# Altium PCB MCU_Board.PcbDoc (continued)
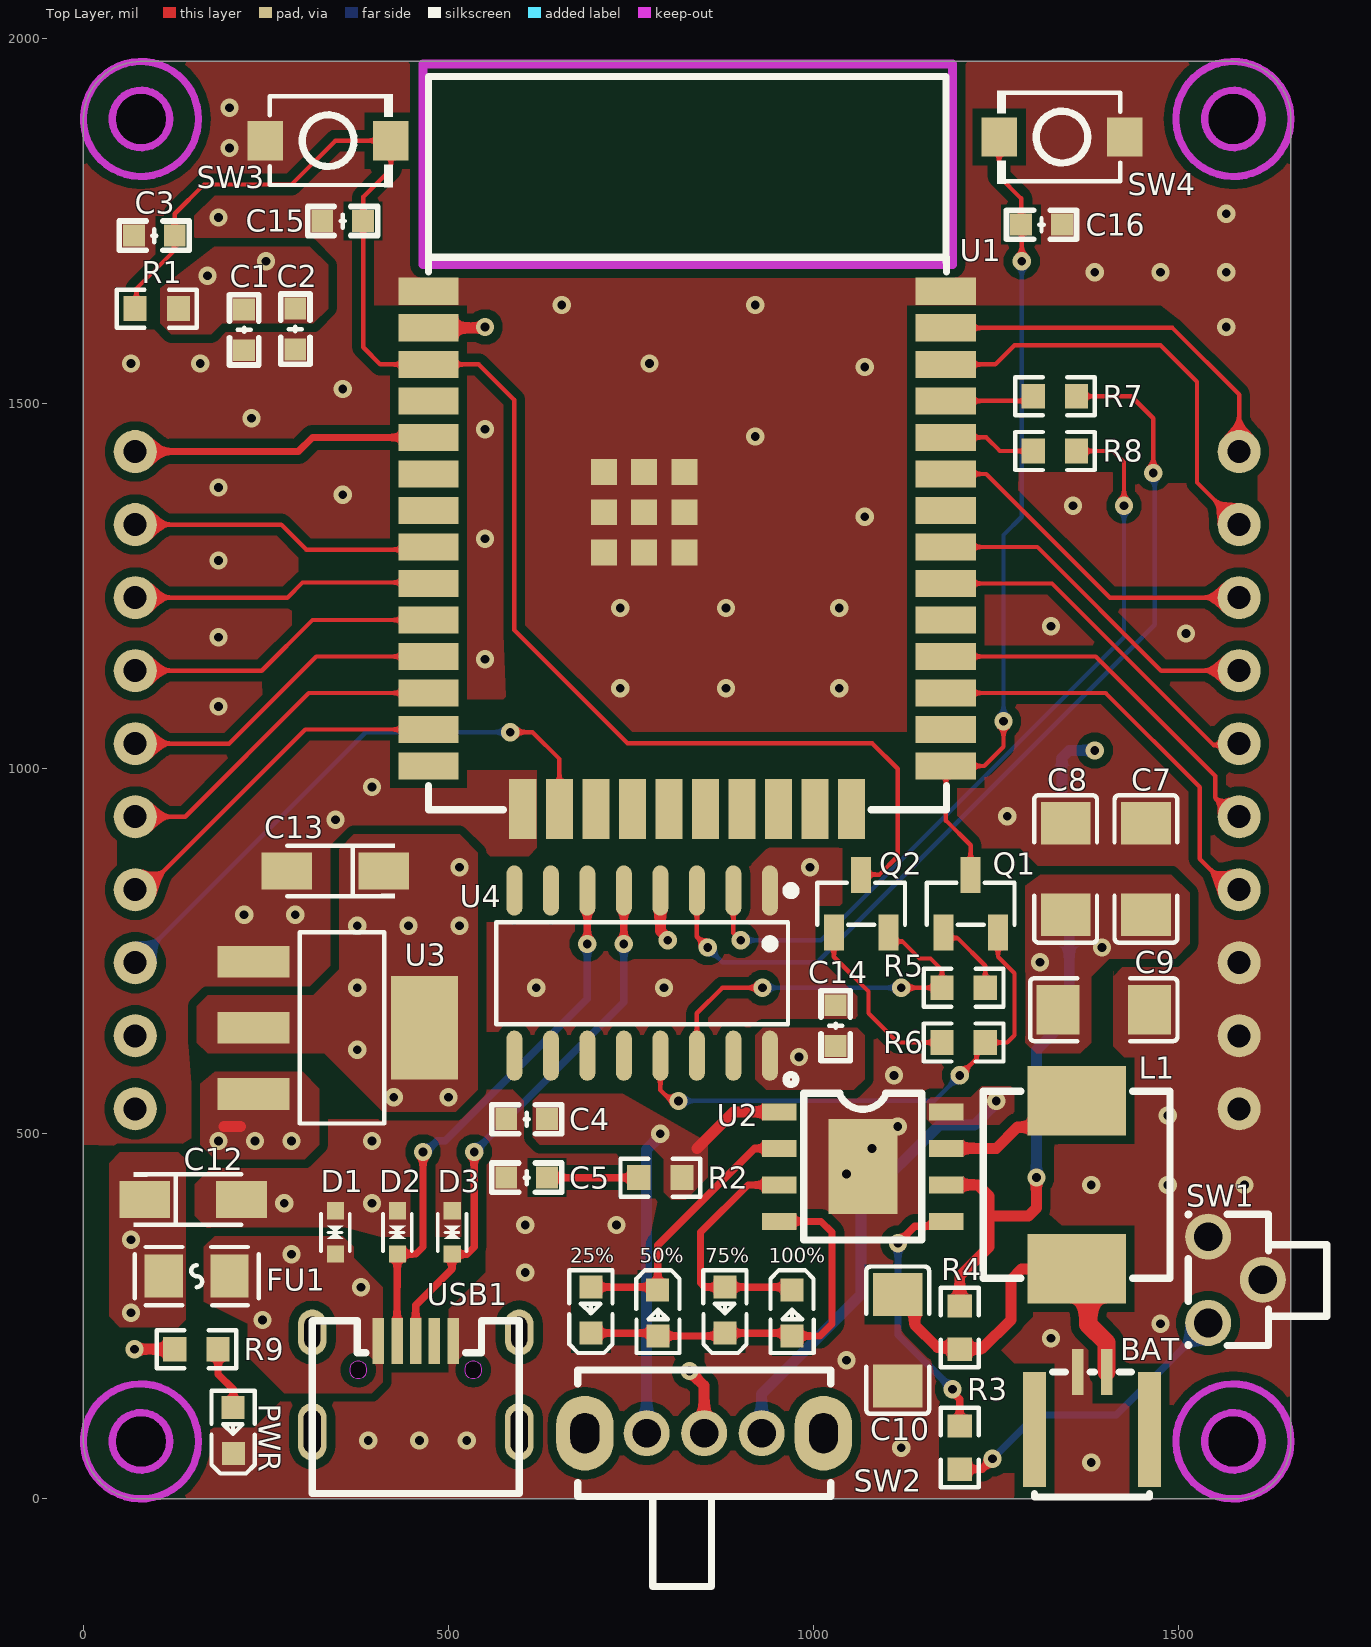
[diagram p0: Top Layer view]
## Components (designator, comment, footprint, x,y, rotation, side; value= is the part's Value field where it differs from the comment)
25% "NCD0603G2" LED0603-RD 695.14,258.53 r90 top (schematic designator LED1)
50% "NCD0603G2" LED0603-RD 786.52,254.62 r270 top (schematic designator LED2)
75% "NCD0603G2" LED0603-RD 878.75,258.53 r90 top (schematic designator LED3)
100% "NCD0603G2" LED0603-RD 970.13,254.62 r270 top (schematic designator LED4)
BAT "1.0T-2P卧贴" CONN-SMD_1.0T-2P 1381.26,134.34 r0 top (schematic designator CN1)
C1 "Cap" C0603 220,1601 r90 top value=22uF
C2 "Cap" C0603 290,1602 r90 top value=100nF
C3 "Cap" C0603 97,1730 r0 top value=100nF
C4 "Cap" C0603 607,520 r0 top value=10uF
C5 "Cap" C0603 607,440 r0 top value=10uF
C6 "Cap" C1206 1402.3,970 r180 bottom value=22uF
C7 "Cap" C1206 1455,862.7 r270 top value=22uF
C8 "Cap" C1206 1345,862.7 r270 top value=22uF
C9 "Cap" C1206 1397.3,670 r180 top value=22uF
C10 "Cap" C1206 1115,217.3 r90 top value=22uF
C11 "Cap" C1206 1397.3,790 r180 bottom value=22uF
C12 "TAJA106K016RNJ" CAP-SMD_L3.2-W1.6-RD-C7171 150,410 r0 top value=10uF
C13 "TAJA106K016RNJ" CAP-SMD_L3.2-W1.6-RD-C7171 345,860 r180 top value=10uF
C14 "Cap" C0603 1030,648 r90 top value=100nF
C15 "Cap" C0603 355,1750 r180 top value=100nF
C16 "Cap" C0603 1312,1745 r0 top value=100nF
D1 "LESD5D5.0CT1G" SOD-523_L1.2-W0.8-LS1.6-BI 345,365 r270 top
D2 "LESD5D5.0CT1G" SOD-523_L1.2-W0.8-LS1.6-BI 430,365 r270 top
D3 "LESD5D5.0CT1G" SOD-523_L1.2-W0.8-LS1.6-BI 505,365 r270 top
FU1 "FUSE 1A" F0805 155.02,305 r180 top
J1 "Header 10X1" HDR-TH_10P-P2.54-V-M 70.87,984.25 r270 bottom
J2 "Header 10X1" HDR-TH_10P-P2.54-V-M 1582.68,984.25 r270 bottom
L1 "Inductor" IND-SMD_L6.5-W6.5_IHLP-2525 1360,430.14 r270 top value=1uH
PWR "NCD0603G2" LED0603-RD 205.13,93.53 r90 top (schematic designator LED5)
Q1 "SS8050-G" SOT-23-3_L2.9-W1.3-P1.90-LS2.4-BR 1215,815 r270 top
Q2 "SS8050-G" SOT-23-3_L2.9-W1.3-P1.90-LS2.4-BR 1065,815 r270 top
R1 "10k" R0603 100.34,1630 r0 top
R2 "2Ω" R0603 790,440 r0 top
R3 "10k" R0603 1200,70.34 r90 top
R4 "500mΩ" R0603 1200,234.66 r270 top
R5 "10k" R0603 1205.34,700 r180 top
R6 "10k" R0603 1205.34,625 r0 top
R7 "0Ω" R0603 1330.34,1510 r180 top
R8 "0Ω" R0603 1330.34,1435 r180 top
R9 "1k" R0603 154.66,205 r180 top
SW1 "GT-TCB73B-H048-L1" SW-TH_G-SWITCH_GT-TCB73B-H048-L1 1577.6,300.01 r90 top
SW2 "SK12D07VG3" SW-TH_SK12D07VG3 850,90 r0 top
SW3 "TS-1088-AR02016" SW-SMD_L3.9-W3.0-P4.45 335,1860 r0 top
SW4 "TS-1088-AR02016" SW-SMD_L3.9-W3.0-P4.45 1340,1865 r180 top
U1 "ESP32-WROOM-32E" WIFI-SMD_ESP32-WROOM-32E 826.77,1299.21 r270 top
U2 "IP5306" ESOP-8_L4.9-W3.9-P1.27-LS6.0-BL-EP 1067.25,455 r270 top
U3 "LD1117-3.3" SOT-223-3_L6.5-W3.4-P2.30-LS7.0-BR 350,645 r180 top
U4 "CH340C" SOP-16_L10.0-W3.9-P1.27-LS6.0-BL 765,720 r180 top
USB1 "U-F-M5DD-W-2" MICRO-USB-SMD_MICRO-USB-A17 455,160 r270 top

## Footprints (in the part's own frame and the unit in brackets; to place one, negate y for a bottom-side part, rotate by r counter-clockwise, add the part's x,y. Pads: shape width x height; smd on the part's side, far side on the other; paste and mask are expansions set on the pad)
C0603 [mil] "无极性贴片电容"
  rect 30x30 smd mask+2: 1(-28,0) 2(28,0)
  silkscreen extent -48,-20 48,20, body extent -31,-16 31,16, height 32
C1206 [mm] "无极性贴片电容"
  rect 1.485x1.728 smd paste-100 mask+0.051: 1(-1.593,0) 2(1.593,0)
  silkscreen extent -2.56,-1.09 2.56,1.09, body extent -1.73,-0.81 1.47,0.81, height 1.11
CAP-SMD_L3.2-W1.6-RD-C7171 [mil]
  rect 69.19x51.02 smd paste+0 mask+2: 1(-66.39,0) 2(66.39,0)
  silkscreen extent -81,-37 66,37, body extent -68,-31 58,31, height 67
CONN-SMD_1.0T-2P [mm]
  rect 0.8x4 smd paste+0 mask+0.051: 0(-2,-0.999) 0(2,-0.999)
  rect 0.4x1.6 smd paste+0 mask+0.051: 1(-0.498,0.999) 2(0.502,0.999)
  silkscreen extent -2,-3.35 2,1, body extent -1.75,-3.4 1.75,1.6, height 2.45
ESOP-8_L4.9-W3.9-P1.27-LS6.0-BL-EP [mm]
  rect 0.6x1.2 smd paste+0 mask+0.051: 1(-1.905,-2.908) 2(-0.635,-2.908) 3(0.635,-2.908) 4(1.905,-2.908) 5(1.905,2.908) 6(0.635,2.908) 7(-0.635,2.908) 8(-1.905,2.908)
  rect 3.3x2.4 smd paste+0 mask+0.051: 9(0,0)
  silkscreen extent -3.2,-2.67 2.55,2.05, body extent -2.45,-3.05 2.45,3.05, height 1.67
F0805 [mm]
  rect 1.335x1.5 smd paste-100 mask+0.051: 1(-1.142,0) 2(1.142,0)
  silkscreen extent -2.16,-1.02 2.16,1.02, body extent -1.05,-0.7 1.05,0.7, height 0.8
HDR-TH_10P-P2.54-V-M [mm]
  round 1.5 hole 0.8 paste+0 mask+0.05: 1(-11.43,0) 2(-8.89,0) 3(-6.35,0) 4(-3.81,0) 5(-1.27,0) 6(1.27,0) 7(3.81,0) 8(6.35,0) 9(8.89,0) 10(11.43,0)
  silkscreen extent -12.7,-1.27 12.7,1.27, body extent -12.7,-1.41 12.71,1.4, height 10.1
IND-SMD_L6.5-W6.5_IHLP-2525 [mm] "贴片电感"
  rect 2.42x3.43 smd paste+0 mask+0.051: 1(-2.925,0) 2(2.925,0)
  silkscreen extent -3.25,-3.25 3.25,3.25, body extent -3.43,-3.23 3.43,3.23, height 2.97
LED0603-RD [mm] "LED0603"
  rect 0.8x0.8 smd paste+0 mask+0.051: 1(-0.799,-0.003) 2(0.799,0.003)
  silkscreen extent -1.49,-0.75 1.39,0.76, body extent -0.81,-0.41 0.81,0.41, height 0.56
MICRO-USB-SMD_MICRO-USB-A17 [mm]
  rect 1.6x0.4 smd paste-100 mask+0.051: 1(-1.435,-1.3) 2(-1.435,-0.65) 3(-1.435,0) 4(-1.435,0.65) 5(-1.435,1.3)
  oval 1.6x1 hole 0.55 slot 1.1 at 0 deg copper offset 0.001,0 paste+0 mask+0.051: 6(-1.725,-3.599)
  oval 1.6x1 hole 0.55 slot 1.1 at 0 deg copper offset -0.001,0 paste+0 mask+0.051: 7(-1.725,3.599)
  oval 2x1 hole 0.6 slot 1.5 at 0 deg copper offset -0.001,0.001 paste+0 mask+0.051: 8(1.724,3.599)
  oval 2x1 hole 0.6 slot 1.5 at 0 deg copper offset 0.001,0.001 paste+0 mask+0.051: 9(1.724,-3.599)
  Keep-Out Layer board cut-out: -0.125,-2 -0.125,-1.94 -0.171,-1.83 -0.255,-1.746 -0.365,-1.7 -0.485,-1.7 -0.595,-1.746 -0.679,-1.83 -0.725,-1.94 -0.725,-2 -0.725,-2.06 -0.679,-2.17 -0.595,-2.254 -0.485,-2.3 -0.365,-2.3 -0.255,-2.254 -0.171,-2.17 -0.125,-2.06 -0.125,-2 -0.125,-2
  Keep-Out Layer board cut-out: -0.125,2 -0.125,2.06 -0.171,2.17 -0.255,2.254 -0.365,2.3 -0.485,2.3 -0.595,2.254 -0.679,2.17 -0.725,2.06 -0.725,2 -0.725,1.94 -0.679,1.83 -0.595,1.746 -0.485,1.7 -0.365,1.7 -0.255,1.746 -0.171,1.83 -0.125,1.94 -0.125,2 -0.125,2
  silkscreen extent -2.14,-3.6 3.88,3.61, body extent -2.1,-3.75 4,3.75, height 2.53
R0603 [mil] "R0603"
  rect 31.75x34.02 smd paste-3937.01 mask+2: 1(-29.66,0) 2(29.66,0)
  silkscreen extent -55,-26 55,26, body extent -31,-16 31,16, height 17
SOD-523_L1.2-W0.8-LS1.6-BI [mm]
  rect 0.6x0.6 smd paste+0 mask+0.051: 1(-0.75,0) 2(0.75,0)
  silkscreen extent -0.65,-0.5 0.65,0.5, body extent -0.8,-0.4 0.8,0.4, height 0.71
SOP-16_L10.0-W3.9-P1.27-LS6.0-BL [mm]
  oval 0.56x1.745 smd paste+0 mask+0.051: 1(-4.445,-2.872) 2(-3.175,-2.872) 3(-1.905,-2.872) 4(-0.635,-2.872) 5(0.635,-2.872) 6(1.905,-2.872) 7(3.175,-2.872) 8(4.445,-2.872) 9(4.445,2.872) 10(3.175,2.872) 11(1.905,2.872) 12(0.635,2.872) 13(-0.635,2.872) 14(-1.905,2.872) 15(-3.175,2.872) 16(-4.445,2.872)
  silkscreen extent -5.33,-3.02 5.08,1.77, body extent -4.95,-3 4.95,3, height 1.9
SOT-23-3_L2.9-W1.3-P1.90-LS2.4-BR [mm] "SS8050"
  rect 1.25x0.7 smd paste+0 mask+0.051: 1(1,-0.95) 2(1,0.95) 3(-1,0)
  silkscreen extent -0.73,-1.53 0.73,1.53, body extent -1.12,-1.45 1.38,1.45, height 1.05
SOT-223-3_L6.5-W3.4-P2.30-LS7.0-BR [mm]
  rect 2.5x1.1 smd paste+0 mask+0.051: 1(2.97,-2.3) 2(2.97,0) 3(2.97,2.3)
  rect 2.34x3.6 smd paste+0 mask+0.051: 4(-2.97,0)
  silkscreen extent -1.57,-3.33 1.37,3.33, body extent -3.88,-3.25 3.12,3.25, height 1.84
SW-SMD_L3.9-W3.0-P4.45 [mm]
  rect 1.23x1.36 smd paste+0 mask+0.051: 1(-2.185,0) 2(2.185,0)
  silkscreen extent -2.03,-1.62 2.25,1.62, body extent -2.4,-1.45 2.4,1.45, height 1.95
SW-TH_G-SWITCH_GT-TCB73B-H048-L1 [mm]
  round 1.6 hole 1 paste+0 mask+0.051: 1(-1.5,0.95) 2(1.5,0.95) 3(0,-0.95)
  silkscreen extent -2.29,-3.18 2.29,1.65, body extent -2.25,-3.08 2.25,1.72, height 4.47
SW-TH_SK12D07VG3 [mm]
  round 1.6 hole 1 paste+0 mask+0.051: 1(-2,0) 2(0,0) 3(2,0)
  oval 2x2.6 hole 1 slot 1.4 at 90 deg paste+0 mask+0.051: 4(4.15,0) 5(-4.15,0)
  silkscreen extent -4.4,-5.33 4.4,2.2, body extent -4.35,-6.22 4.35,2.18, height 4.7
WIFI-SMD_ESP32-WROOM-32E [mm] "ESP32-WROOM"
  rect 0.95x2.1 smd paste+0 mask+0.051: 1(-9.003,-9) 2(-7.733,-9) 3(-6.463,-9) 4(-5.193,-9) 5(-3.923,-9) 6(-2.653,-9) 7(-1.383,-9) 8(-0.113,-9) 9(1.157,-9) 10(2.427,-9) 11(3.697,-9) 12(4.967,-9) 13(6.237,-9) 14(7.507,-9) 25(7.507,9) 26(6.237,9) 27(4.967,9) 28(3.697,9) 29(2.427,9) 30(1.157,9) 31(-0.113,9) 32(-1.383,9) 33(-2.653,9) 34(-3.923,9) 35(-5.193,9) 36(-6.463,9) 37(-7.733,9) 38(-9.003,9)
  rect 2.1x0.95 smd paste+0 mask+0.051: 15(9.003,-5.715) 16(9.003,-4.445) 17(9.003,-3.175) 18(9.003,-1.905) 19(9.003,-0.635) 20(9.003,0.635) 21(9.003,1.905) 22(9.003,3.175) 23(9.003,4.445) 24(9.003,5.715)
  rect 0.9x0.9 smd paste+0 mask+0.051: 39(-2.722,-0.1) 39(-2.722,-2.9) 39(-2.722,-1.5) 39(-1.322,-0.1) 39(-1.322,-1.5) 39(-1.322,-2.9) 39(0.078,-0.1) 39(0.078,-1.5) 39(0.078,-2.9)
  silkscreen extent -16.48,-9 9.02,9.02, body extent -16.53,-9 8.97,9, height 3.13

## Part data
25% 50% 75% 100%: Emitted Color=翠绿, JLCPCB Part Class="Extended Part", Manufacturer=国星光电, Add into BOM=yes, Convert to PCB=yes, Datasheet=https://atta.szlcsc.com/upload/public/pdf/source/20200820/C87326_434E337B13CFAB9A1423E0838CFDDDAC.pdf, Device=NCD0603G2, LCSC Part Name=翠绿, Manufacturer Part=NCD0603G2, Name=NCD0603G2, Supplier=LCSC, Supplier Footprint=0603, Supplier Part=C87326, Symbol=FC-1608UGK-520D
BAT: "锂电池接口", JLCPCB Part Class="Extended Part", LCSC Part Name="SH 1mm 1x2P 卧贴", Manufacturer=BOOMELE(博穆精密), Add into BOM=yes, Contact Material=磷铜, Convert to PCB=yes, Datasheet=https://atta.szlcsc.com/upload/public/pdf/source/20171115/C145954_15107293403501120439.pdf, Device=1.0T-2P卧贴, Manufacturer Part=1.0T-2P卧贴, Mounting Style=-, Name=1.0T-2P卧贴, Number of PINs Per Row=2, Number of Rows=1, Pins Structure=1x2P, Pitch=1mm, Reference Series=SH, Row Spacing=-, Supplier=LCSC, Supplier Footprint=SMD,P=1mm, Supplier Part=C145954, Symbol=1.0T-2P_C145954
C1 C2 C3 C4 C5 C6 C7 C8 C9 C10 C11 C14 C15 C16: "Capacitor", LatestRevisionDate=17-Jul-2002, LatestRevisionNote="Re-released for DXP Platform.", PackageDescription="Radial Cap, Thru-Hole; 2 Leads; 0.3 in Pin Spacing", PackageReference=RAD-0.3, Published=8-Jun-2000, Publisher="Altium Limited"
C12 C13: library part Cap-TAJA, "贴片钽电容", Equivalent Series Resistance(ESR)=3Ω@100kHz, JLCPCB Part Class="Basic Part", LCSC Part Name="10uF ±10% 16V", Manufacturer="Kyocera AVX", Operating Temperature=-55℃~+125℃, Rated Voltage=16V, Tolerance=±10%, Add into BOM=yes, Convert to PCB=yes, Datasheet=https://atta.szlcsc.com/upload/public/pdf/source/20160107/1457707748093.pdf, Device=TAJA106K016RNJ, Manufacturer Part=TAJA106K016RNJ, Name=10uF, Supplier=LCSC, Supplier Footprint=CASE-A-3216, Supplier Part=C7171, Symbol=TAJA106K016RNJ
D1 D2 D3: "静电放电(ESD)保护器件", Designer=U?, Device=LESD5D5.0CT1G, Symbol=LESD5D5.0CT1G
FU1: library part FU, "贴片保险丝", Current Rating (Max)=40A, Hold Current=750mA, JLCPCB Part Class="Extended Part", LCSC Part Name="6V 750mA 0805自恢复", Manufacturer=RUILON(瑞隆源), Manufacturer Part=SMD0805P075TF, Operating Voltage (Max)=6V, Trip Current=1.5A, Add into BOM=yes, Convert to PCB=yes, Datasheet=https://atta.szlcsc.com/upload/public/pdf/source/20140222/1457706788789.pdf, Device=SMD0805P075TF_C20979, Name=SMD0805P075TF, Supplier=LCSC, Supplier Footprint=0805, Supplier Part=C20979, Symbol=SMD0805P075TF
J1 J2: "10P*1接插件", Designer=U?, Device=MF254V-11-10-1000-H70, Symbol=MF254V-11-10-1000-H70
PWR: "LED", Emitted Color=翠绿, JLCPCB Part Class="Extended Part", Manufacturer=国星光电, Add into BOM=yes, Convert to PCB=yes, Datasheet=https://atta.szlcsc.com/upload/public/pdf/source/20200820/C87326_434E337B13CFAB9A1423E0838CFDDDAC.pdf, Device=NCD0603G2, LCSC Part Name=翠绿, Manufacturer Part=NCD0603G2, Name=NCD0603G2, Supplier=LCSC, Supplier Footprint=0603, Supplier Part=C87326, Symbol=FC-1608UGK-520D
Q1 Q2: Collector Current (Ic)=1.5A, Collector Cut-Off Current (Icbo)=100nA, Collector-Emitter Breakdown Voltage (Vceo)=25V, Collector-Emitter Saturation Voltage (VCE(sat)@Ic,Ib)=500mV@800mA,80mA, DC Current Gain (hFE@Ic,Vce)=200@100mA,1V, JLCPCB Part Class="Extended Part", LCSC Part Name="NPN 25V 1.5A H档(200-350)", Manufacturer=CJ(江苏长电/长晶), Operating Temperature=+150℃@(Tj), Power Dissipation (Pd)=300mW, Transition Frequency (fT)=100MHz, Add into BOM=yes, Convert to PCB=yes, Datasheet=https://atta.szlcsc.com/upload/public/pdf/source/20171228/C164885_15144412871481213889.pdf, Device=SS8050-G, Manufacturer Part=SS8050-G, Name=SS8050-G, Supplier=LCSC, Supplier Footprint=SOT-23, Supplier Part=C164885, Symbol=SS8050-G_C164885, Transistor Type=NPN
R1 R2 R3 R4 R5 R6 R7 R8 R9: library part Res3, "Resistor", LatestRevisionDate=29-May-2009, LatestRevisionNote="IPC-7351 Footprint Added.", PackageDescription="Chip Resistor", PackageReference=J1-0603, Published=8-Jun-2000, Publisher="Altium Limited"
SW1: Actuator/Cap Color=黑色, Contact Current=50mA, Insulation Resistance=100MΩ, JLCPCB Part Class="Extended Part", LCSC Part Name="4.5*4.5*4.8mm 卧插 轻触开关", Manufacturer=G-Switch(品赞), Operating Force=250gf@±30gf, Operating Temperature=-30℃~+85℃, Voltage Rating (DC)=12V, Actuator Style=圆形按钮, Add into BOM=yes, Circuit=单刀单掷, Convert to PCB=yes, Datasheet=https://atta.szlcsc.com/upload/public/pdf/source/20211129/A9DBC36F7854845B7C58D6A3B2089FE3.pdf, Device=GT-TCB73B-H048-L1, Manufacturer Part=GT-TCB73B-H048-L1, Mechanical Life=10万次, Mounting Style=卧插, Name=GT-TCB73B-H048-L1, Pin Style=PC引脚, Strike Gundam=否, Supplier=LCSC, Supplier Footprint=插件, Supplier Part=C2890354, Switch Height=4.8mm, Switch Length=4.5mm, Switch Width=4.5mm, Symbol=GT-TCB73B-H048-L1, With Lamp=无
SW2: JLCPCB Part Class="Extended Part", LCSC Part Name=两档位卧式拨动开关,柄长3MM, Manufacturer="SHOU HAN(首韩)", Add into BOM=yes, Convert to PCB=yes, Datasheet=https://atta.szlcsc.com/upload/public/pdf/source/20190925/C431547_01B93C6F3FA5C09E15F8CCBF4E6DB91A.pdf, Device=SK12D07VG3, Manufacturer Part=SK12D07VG3, Name=SK12D07VG3, Supplier=LCSC, Supplier Footprint=插件, Supplier Part=C431547, Symbol=SK12D07VG3_C431547
SW3 SW4: Actuator/Cap Color=黑色, Contact Current=50mA, Insulation Resistance=100MΩ, JLCPCB Part Class="Extended Part", LCSC Part Name="4*3*2mm 立贴 轻触开关", Manufacturer=XUNPU(讯普), Operating Force=160gf@±50gf, Operating Temperature=-30℃~+80℃, Voltage Rating (DC)=12V, Actuator Style=圆形按钮, Add into BOM=yes, Circuit=单刀单掷, Convert to PCB=yes, Datasheet=https://atta.szlcsc.com/upload/public/pdf/source/20200810/C720475_60D09DD6C54279ADDB2DC25100F1CC11.pdf, Device=TS-1088-AR02016, Manufacturer Part=TS-1088-AR02016, Mechanical Life=10万次, Mounting Style=立贴, Name=TS-1088-AR02016, Pin Style=SMD接片, Strike Gundam=否, Supplier=LCSC, Supplier Footprint=SMD, Supplier Part=C720477, Switch Height=2mm, Switch Length=4mm, Switch Width=3mm, Symbol=TS-1088-AR02016
U1: library part ESP32-WROOM-32E-N16_C701343, JLCPCB Part Class="Extended Part", LCSC Part Name="通用型Wi-Fi+BT+BLEMCU模组 PCB板载天线模组", Manufacturer=ESPRESSIF(乐鑫), Manufacturer Part=ESP32-WROOM-32E-N16, Add into BOM=yes, Convert to PCB=yes, Datasheet=https://atta.szlcsc.com/upload/public/pdf/source/20200730/C701341_95E089979D39CD8D2471FDC7C7AF29A1.pdf, Device=ESP32-WROOM-32E-N16_C701343, Name=ESP32-WROOM-32E-N16, Supplier=LCSC, Supplier Footprint=SMD,18x25.5mm, Supplier Part=C701343, Symbol=ESP32-WROOM-32E(16MB)
U2: JLCPCB Part Class="Extended Part", Manufacturer=INJOINIC(英集芯), Add into BOM=yes, Convert to PCB=yes, Datasheet=https://atta.szlcsc.com/upload/public/pdf/source/20180920/C181692_842C9BF636DF123BB66E91FC1AD6F13F.pdf, Device=IP5306, LCSC Part Name=IP5306, Manufacturer Part=IP5306, Name=IP5306, Supplier=LCSC, Supplier Footprint=ESOP-8, Supplier Part=C181692, Symbol=IP5306
U3: "低压差线性稳压器3.3V"
U4: JLCPCB Part Class="Extended Part", Manufacturer=WCH(南京沁恒), Supply Voltage=3.3V；5V, Add into BOM=yes, Applications Function=Transceiver, Convert to PCB=yes, Data Rate=2Mbps, Datasheet=https://atta.szlcsc.com/upload/public/pdf/source/20200819/C84681_ADBED554CE321879DBD6B1D06488689C.pdf, Device=CH340C, LCSC Part Name=CH340C, Manufacturer Part=CH340C, Name=CH340C, Protocol="USB 2.0", Supplier=LCSC, Supplier Footprint=SOP-16, Supplier Part=C84681, Symbol=CH340C
USB1: JLCPCB Part Class="Extended Part", Manufacturer=韩国韩荣, Add into BOM=yes, Connector Type=Micro-B, Convert to PCB=yes, Datasheet=https://atta.szlcsc.com/upload/public/pdf/source/20200930/C879723_6542CD70930DA81B6877F7A914B29468.pdf, Device=U-F-M5DD-W-2, Gender=母座, LCSC Part Name=U-F-M5DD-W-2, Manufacturer Part=U-F-M5DD-W-2, Name=U-F-M5DD-W-2, Number of Contacts=5, Number of Ports=1, Standard="USB 2", Supplier=LCSC, Supplier Footprint=-, Supplier Part=C145793, Symbol=U-F-M5DD-W-2
L1: Code_IEC=1005, Code_JEITA=0402, LatestRevisionDate=29-May-2009, LatestRevisionNote="IPC-7351 Footprint Added.", PackageDescription="Chip Inductor", PackageReference=0402-A, Published=8-Jun-2000, Publisher="Altium Limited"

## Via types
v1: diameter 25, hole 12, Top Layer to Bottom Layer, tented both sides, 112 vias

## Nets (pads, with @x,y where several pads share a name; then routed paths per layer and width w, separated by ;. In a path a pad name is that pad's centre, name@x,y a point inside that pad or via, vN(x,y) a via of type N, cw(c..) or ccw(c..) an arc to the next point about the centre after c; other vN are vias at no path point)
AIN: J1.1 U1.5 | length 409.6
  Top Layer w10: J1.1 294.25,1434.25 313.64,1453.64 U1.5
D_N: D2.2 U4.6 USB1.2 | length 748.3
  Top Layer w10: USB1.2 429.4,290.29 429.7,290.59 D2.2@429.7,335.17 ; D2.2 455.47,335.47 465,345 v1(465,475) ; v1(690,760) U4.6
  Top Layer w15: D2.2@429.7,335.17 D2.2
  Bottom Layer w10: v1(465,475) 469.06,475 484.54,490.48 495.48,490.48 690,685 v1(690,760)
D_P: D3.2 U4.5 USB1.3 | length 747
  Top Layer w10: USB1.3 455,265 504.52,314.52 504.52,335 D3.2 505.47,335 525,335 535,345 v1(535,475) ; v1(740,760) U4.5
  Bottom Layer w10: v1(535,475) 740,680 v1(740,760)
EN: C3.2 C15.1 Q2.3 R1.1 SW3.2 U1.3 | length 2124.8
  Top Layer w6: R1.1 72.49,1631.81 72.49,1657.49 124.51,1709.51 124.51,1729.51 C3.2 125,1760 165,1800 285,1800 345,1860 SW3.2 421.02,1821.02 383,1783 C15.1 383,1577 406.36,1553.64 U1.3 541.36,1553.64 590,1505 590,1190 745,1035 1080,1035 1115,1000 1115,880 1090,855 1065.63,855 Q2.3
GND: BAT.1 C1.1 C2.1 C3.1 C4.1 C5.1 C6.1 C7.1 C8.1 C9.1 C10.1 C11.1 C12.2 C13.2 C14.2 C15.2 C16.2 D1.1 D2.1 D3.1 J2.8 J2.9 J2.10 PWR.1 SW1.2 SW1.3 SW3.1 SW4.1 U1.1 U1.15 U1.38 U1.39 U2.9 U3.1 U4.1 USB1.5
  other v1: 1380,50 1120,70 390,80 460,80 525,80 1045,190 1325,220 1475,240 605,310 605,375 730,375 275,405 395,405 1380,430 1485,430 1590,430 1045,445 1080,480 395,490 1115,510 1485,525 1110,580 620,700 795,700 220,800 290,800 995,865 345,930 1265,935 395,975 185,1085 735,1110 880,1110 1035,1110 550,1150 185,1180 1510,1185 1325,1195 735,1220 880,1220 1035,1220 185,1285 550,1315 1070,1345 1355,1360 355,1375 185,1385 920,1455 550,1465 230,1480 355,1520 1070,1550 65,1555 160,1555 775,1555 1565,1605 655,1635 920,1635 1385,1680 1475,1680 1565,1680 185,1755 1565,1760 200,1850 200,1905
IO0: C16.1 Q1.3 SW4.2 U1.25 | length 1111.3
  Top Layer w6: Q1.3 1215,895 1181.11,928.89 U1.25 1233.64,1003.64 1260,1030 v1(1260,1065) ; SW4.2 1253.98,1811.02 1284,1781 C16.1 1285,1744 v1(1285,1695)
  Bottom Layer w6: v1(1260,1065) 1260,1320 1285,1345 v1(1285,1695)
MCU_C0: J2.4 U1.31 | length 471.7
  Top Layer w6: U1.31 1306.36,1303.64 1475.75,1134.25 J2.4
MCU_C1: J2.5 U1.30 | length 494
  Top Layer w6: U1.30 1326.36,1253.64 1547.66,1032.34 1580.76,1032.34 J2.5
MCU_C2: J1.2 U1.8 | length 417.3
  Top Layer w6: J1.2 270.75,1334.25 305,1300 468.79,1300 U1.8
MCU_INH1: J2.2 U1.36 | length 595.2
  Top Layer w6: U1.36 1248.64,1553.64 1275,1580 1475,1580 1525,1530 1525,1391.93 J2.2
MCU_INH2: J2.3 U1.33 | length 471.7
  Top Layer w6: U1.33 1236.36,1403.64 1405.75,1234.25 J2.3
MCU_INH3: J1.8 U1.16 | length 805.1
  Top Layer w6: J1.8 J1.8@77.78,741.17 ; v1(584.43,1050) 615,1050 651.78,1013.22 U1.16
  Bottom Layer w6: J1.8 386.61,1050 v1(584.43,1050)
MCU_R0: J1.3 U1.9 | length 410.7
  Top Layer w6: J1.3 279.25,1234.25 300,1255 471.08,1255 U1.9
MCU_R1: J1.4 U1.10 | length 430.3
  Top Layer w6: J1.4 244.25,1134.25 313.64,1203.64 U1.10
MCU_R2: J1.5 U1.11 | length 451
  Top Layer w6: J1.5 199.25,1034.25 318.64,1153.64 U1.11
MCU_R3: J1.6 U1.12 | length 471.7
  Top Layer w6: J1.6 139.25,934.25 308.64,1103.64 U1.12
MCU_R4: J1.7 U1.13 | length 492.4
  Top Layer w6: J1.7 84.25,834.25 303.64,1053.64 U1.13
MCU_R5: J2.1 U1.37 | length 517.5
  Top Layer w6: U1.37 1491.36,1603.64 1582.68,1512.32 J2.1
MCU_RXD: J2.7 U1.27 | length 570.8
  Top Layer w6: U1.27 1399.73,1103.64 1528.59,974.78 1528.59,876.41 1570.75,834.25 J2.7
MCU_TXD: J2.6 U1.28 | length 512.9
  Top Layer w6: U1.28 1386.36,1153.64 1550,990 1550,960 1570.75,939.25 1570.75,934.25 J2.6
NetC5_2: C5.2 R2.1 | length 125.3
  Top Layer w10: C5.2 R2.1
NetC11_2: C11.2 R4.1 U2.6 | length 715.2
  Top Layer w15: U2.6 1225,430 1240,415 1240,388.5 ; R4.1@1200,265 1200,305 1239.29,344.29 ; 1240,345 1240,387.5 1294.14,387.5 1305,398.36 v1(1305,440)
  Bottom Layer w15: v1(1305,440) 1305,615 1350,660 1350,774.6 C11.2
NetL1_1: L1.1 U2.7 | length 225.2
  Top Layer w15: U2.7 1250,480 1279.15,509.15 1344.01,509.15 L1.1@1380,545.14
NetLED1_1: 25%.1 50%.2 75%.1 100%.2 U2.4 | length 522.3
  Top Layer w10: 25%.1 782.75,227.05 50%.2 874.98,223.15 75%.1 966.37,227.05 100%.2 1008.15,223.15 1025,240 1025,365 1010,380 U2.4@975.5,380
NetLED1_2: 25%.2 50%.1 U2.2 | length 375.5
  Top Layer w10: 25%.2 782.48,290 50%.1 786.38,290 786.38,347.3 919.08,480 U2.2
NetLED3_2: 75%.2 100%.1 U2.3 | length 332.9
  Top Layer w10: U2.3 910,430 845,365 845,295.86 850.86,290 75%.2 966.1,290 100%.1
NetLED5_2: PWR.2 R9.1 | length 88.6
  Top Layer w10: R9.1 184.32,170.68 205,150 PWR.2
NetQ1_1: Q1.1 R5.1 | length 106.3
  Top Layer w6: Q1.1 1185.09,768.14 1196.86,768.14 1235,730 R5.1
NetQ1_2: Q1.2 R6.2 U4.13 | length 731.3
  Top Layer w6: U4.13 790,560 805,545 v1(815,545) ; v1(1200,580) 1223.19,603.19 1223.19,613.19 R6.2 1265,625 1275,635 1275,720 1252.4,742.6 Q1.2
  Bottom Layer w6: v1(815,545) 1165,545 v1(1200,580)
NetQ2_1: Q2.1 R6.1 | length 247.5
  Top Layer w6: Q2.1 1027.6,742.4 1075,695 1075,665 1115,625 R6.1
NetQ2_2: Q2.2 R5.2 U4.14 | length 528
  Top Layer w6: U4.14 840,665 875,700 v1(930,700) ; Q2.2 1102.4,774.11 1113.18,763.34 1121.66,763.34 1144.98,740.02 1159.98,740.02 1175.68,724.32 R5.2 v1(1120,700)
  Bottom Layer w6: v1(930,700) v1(1120,700)
NetR3_1: R3.1 SW1.1 | length 409.9
  Top Layer w10: R3.1 1230.68,40.68 v1(1245,55)
  Bottom Layer w10: 1254.38,64.38 1305,115 1414.25,115 SW1.1
NetR3_2: R3.2 U2.5 | length 366.7
  Top Layer w10: v1(1115.5,350.13) 1138.56,373.19 1174.94,373.19 U2.5 ; v1(1190,150) 1190,146.64 1200,136.64 R3.2
  Bottom Layer w10: v1(1115.5,350.13) 1115.5,224.5 v1@1192.09,147.91
RXD: R8.1 U4.2 | length 1080.3
  Top Layer w6: U4.2 890,775 v1(900,765) ; R8.1 1410,1435 1425,1420 v1(1425,1360)
  Bottom Layer w6: v1(900,765) 1010,765 1425,1180 v1(1425,1360)
RXD0: R8.2 U1.34 | length 127.3
  Top Layer w6: U1.34 1236.36,1453.64 1255,1435 R8.2
TXD: R7.1 U4.3 | length 1297.2
  Top Layer w6: U4.3 840,770 v1(855,755) ; R7.1 1435,1510 1465,1480 v1(1465,1405)
  Bottom Layer w6: v1(855,755) 875,735 1005,735 1467,1197 1467,1403 v1(1465,1405)
TXD0: R7.2 U1.35 | length 122.2
  Top Layer w6: U1.35 1294.32,1503.64 R7.2
VBAT: BAT.2 C10.2 L1.2 R4.2 | length 534.5
  Top Layer w15: C10.2 1116.74,280 1138.48,258.27 1138.48,238.41 1169.28,207.6 1191.4,207.6 1200,199 1206.72,205.72 1230.72,205.72 1270,245 1270,300 1284.86,314.86 L1.2@1370.14,314.86
  Top Layer w25: L1.2@1370.14,314.86 1376.04,308.96 1376.04,238.96 1401.02,213.98 BAT.2
VBAT-IN: C4.2 R2.2 SW2.1 U2.1 | length 551.2
  Top Layer w15: 840,480 890,530 U2.1
  Bottom Layer w15: SW2.1 771.26,478.55 790,497.29 v1(790,500)
VBAT-OUT: C6.2 C7.2 C8.2 C9.2 SW2.3 U2.8 | length 710.3
  Bottom Layer w15: SW2.3 928.74,143.74 1065,280 1065,405 1172.29,512.29 1220,512.29 1250,542.29 v1(1250,545) ; C6.2 1340,970.4 1340,1015 1350,1025 v1(1385,1025)
  other v1: 1310,735 1395,755
VBUS: D1.2 FU1.1 SW2.2 USB1.1 | length 93.3
  Top Layer w15: v1(830,175) 850,155 SW2.2
  other v1: 245,245 380,290 285,335
VCC-3.3: C1.2 C2.2 C13.1 C14.1 J1.9 J1.10 R1.2 R9.2 U1.2 U3.2 U3.4 U4.4 U4.16 | length 205.4
  Top Layer w15: v1(70,205) R9.2 ; U1.2 548.64,1603.64 v1(550,1605) ; U4.4 790,777.71 800,767.71 v1(800,765)
  other v1: 425,550 500,550 980,605 375,615 375,700 375,785 445,785 515,785 515,865 170,1675 250,1695
VCC-5: C12.1 FU1.2 U3.3 | length 31.4
  Top Layer w15: C12.1 C12.1@92.69,410 ; 192.69,510 215,510
  other v1: 65,255 65,355 185,490 235,490 285,490
pads on no net: BAT.0 SW2.4 SW2.5 U1.4 U1.6 U1.7 U1.14 U1.17 U1.18 U1.19 U1.20 U1.21 U1.22 U1.23 U1.24 U1.26 U1.29 U1.32 U4.7 U4.8 U4.9 U4.10 U4.11 U4.12 U4.15 USB1.4 USB1.6 USB1.7 USB1.8 USB1.9

## Polygon pours and split planes (outlines as drawn)
GND on Top Layer "GND_L01_P015" (solid, remove dead copper, pour order 15): 0,78.74 ccw(c78.74,78.74) 78.74,0 1574.8,0 ccw(c1574.8,78.74) 1653.54,78.74 1653.54,1889.76 ccw(c1574.8,1889.76) 1574.8,1968.5 78.74,1968.5 ccw(c78.74,1889.76) 0,1889.76
VBUS on Top Layer "VBUS_L01_P000" (solid, pour order 0): 165,325 165,345 180,360 355,360 370,345 370,330 410,290 410,160 395,145 275,145 225,195 225,240 165,270
VBAT-OUT on Top Layer "VBAT-OUT_L01_P014" (solid, pour order 14): 1160,550 1215,550 1230,565 1270,565 1275,560 1275,530 1257.5,512.5 1162.5,512.5 1155,520 1155,545
VBAT-IN on Top Layer "VBAT-IN_L01_P010" (solid, pour order 10): 615,545 615,495 625,485 775,485 795,465 795,420 805,410 845,410 855,420 855,488.57 738.75,555 625,555
VCC-3.3 on Top Layer "VCC-3.3_L01_P008" (solid, pour order 8): 105,1658.08 105,1610 120,1595 175,1595 190,1610 315,1610 335,1630 335,1690 310,1715 179,1715
VBAT-OUT on Top Layer "VBAT-OUT_L01_P007" (solid, pour order 7): 1310,855 1490,855 1515,830 1515,760 1495,740 1405,740 1380,715 1380,625 1365,610 1305,610 1290,625 1290,840
VCC-3.3 on Top Layer "VCC-3.3_L01_P006" (solid, pour order 6): 920,635 920,575 935,560 1055,560 1070,575 1070,635 1060,645 930,645
VCC-3.3 on Top Layer "VCC-3.3_L01_P005" (solid, pour order 5): 510,530 540,560 540,885 515,910 370,910 350,890 350,725 315,690 170,690 155,675 155,625 170,610 330,610 410,530
VCC-5 on Top Layer "VCC-5_L01_P003" (solid, pour order 3): 180,585 300,585 323,562 323,485 303,465 180,465 160,485 160,568.33
VCC-5 on Top Layer "VCC-5_L01_P001" (solid, pour order 1): 140,355 140,245 130,235 50,235 35,250 35,460 50,475 130,475 140,465
GND on Bottom Layer "GND_L04_P016" (solid, remove dead copper, pour order 16): 0,78.74 ccw(c78.74,78.74) 78.74,0 1574.8,0 ccw(c1574.8,78.74) 1653.54,78.74 1653.54,1889.76 ccw(c1574.8,1889.76) 1574.8,1968.5 78.74,1968.5 ccw(c78.74,1889.76) 0,1889.76
VCC-3.3 on Power (split plane): 426 vertices, not listed, extent 40.09,40.09 1613.46,1928.42
VCC-5 on Power (split plane): 333.95,557.49 333.95,477.51 307.49,451.05 185,451.05 183.43,450.85 181.97,450.24 180.72,449.28 145.72,414.28 144.76,413.03 144.15,411.57 143.95,410 143.95,252.51 122.49,231.05 57.51,231.05 46.05,242.51 46.05,355 46.05,382.49 94.28,430.72 149.28,485.72 149.82,486.43 150.24,486.97 150.42,487.4 150.85,488.43 151.05,490 151.05,567.49 167.51,583.95 307.49,583.95
VBUS on Power (split plane): 216 vertices, not listed, extent 191.05,161.05 898.95,408.95
VBAT-OUT on Power (split plane): 1503.95,1022.49 1503.95,732.51 1385.72,614.28 1384.76,613.03 1384.15,611.57 1383.95,610 1383.95,477.51 1377.49,471.05 1177.51,471.05 1161.05,487.51 1161.05,647.49 1299.28,785.72 1300.24,786.97 1300.85,788.43 1301.05,790 1301.05,1022.49 1332.51,1053.95 1472.49,1053.95
GND on GND (split plane): 285 vertices, not listed, extent 20.1,20.1 1633.45,1948.41

## Keep-outs
Keep-Out Layer:
  circle w10: c78.74,1889.76 r39.37
  circle w10: c1574.8,1889.76 r39.37
  circle w10: c1574.8,78.74 r39.37
  circle w10: c78.74,78.74 r39.37
  circle w10: c78.74,78.74 r78.74
  circle w10: c78.74,1889.76 r78.74
  circle w10: c1574.8,78.74 r78.74
  circle w10: c1574.8,1889.76 r78.74
  lines w12: 465,1690 1190,1690 1190,1965 465,1965 465,1690

## Other copper
Top Layer:
  pour cut-out: 1234.45,1634.34 1475,1635 1497.21,1617.77 1235.61,1617.77 1234.45,1618.94
  pour cut-out: 525.78,1072.94 528.92,1076.09 579.49,1076.09 579.49,1094.49 580,1095 525,1095
  pour cut-out: 1229.01,110.03 1229.9,110.92 1233.93,110.92 1233.93,102.46 1242.35,94.04 1263.54,94.04 1275,82.58 1275,35 1249.51,35 1245.01,30.5 1234.01,41.5 1234.01,76.97 1232.23,76.97 1229.01,80.19
  pour cut-out: 1239.01,97.38 1242.35,94.04 1260.61,94.04 1269.77,84.88 1271.3,86.41 1274.77,86.41 1274.77,185.74 1255.39,205.12 1198.61,205.12
  pour cut-out: 1289.88,291.76 1293.09,294.98 1300.48,294.98 1300.48,249.5 1288.37,237.39
  pour cut-out: 579.56,1074.5 578,1072.94 525.78,1072.94 525.78,1000.78 525,1000 526.88,998.12 636.48,998.12 636.48,1006.89
  pour cut-out: 151.32,1715.33 154.28,1715.33 158.22,1711.38 179,1727.24 152.77,1727.24 150.27,1724.74
  pour cut-out: 148.25,1761.62 171.34,1784.71 179.71,1784.71 152,1757
  pour cut-out: 822.45,755.18 823.81,756.53 828.68,756.53 834.23,750.98 834.23,739.23 795.77,739.23
  pour cut-out: 598.98,788.08 666.48,788.08 672.67,794.26 662.45,804.48 662.45,804.62 612.45,804.62
  pour cut-out: 757.33,794.26 757.33,799.5 762.45,804.62 767.55,804.62 767.55,800.65 775.5,792.7 775.5,759.5 795.77,739.23 753.88,739.23
  pour cut-out: 911.69,865.4 911.69,866.69 935,890 915,890
  pour cut-out: 590,879.89 609.52,879.89 621.08,891.44 622.52,890 915,890 915,868.71 907.85,861.56 612.45,861.56
  pour cut-out: 552.24,885 557.34,879.89 590,879.89 590,809.76 570.24,790 550,790
  pour cut-out: 552.24,560 586.38,560 587.07,560.69 568.31,579.45 568.31,640 550,640
  pour cut-out: 612.45,578.44 617.55,578.44 617.55,574.31 620.43,571.42 620.32,571.31 620.32,562.55 602.76,545 585.87,561.9 581.02,561.9
  pour cut-out: 1168.88,356.19 1220.14,356.19 1220.14,353.48 1222.06,351.57 1192.67,322.18 1192.67,270.87 1180.99,259.2 1175.54,264.65 1161.02,264.65 1161.02,306.23 1159.78,305 1120,305 1120,345.63 1115.5,350.13
  pour cut-out: 1321.01,391.72 1321.01,389.86 1310.65,379.5 1312.72,377.42 1312.72,374.5 1339.5,374.5 1340,375
  pour cut-out: 1240.12,456.58 1240.12,447.31 1265.8,421.63 1271.01,421.63 1271.01,406.15 1272.33,404.83 1273.04,405.54 1287.67,405.54 1287.67,422.68 1284.23,426.12 1302.98,444.87 1329.5,444.87 1329.5,484.5 1330,485 1322.26,492.74 1295.86,492.74
  pour cut-out: 1410,605 1425,605 1410,620
  pour cut-out: 1410.07,727.76 1422.76,727.76 1410,715
  pour cut-out: 1381.7,609.4 1381.7,606.69 1383.61,604.78 1383.84,605 1410,605 1410,727.7 1392.24,709.93
  pour cut-out: 1545.29,1415.95 1543.95,1414.61 1540.29,1414.61 1540.29,1398.26 1565.99,1372.57 1603.09,1372.57 1608.18,1367.48 1608.18,1401.02
  pour cut-out: 109.56,918.22 126.68,918.22 127.41,918.96 129.32,917.04 129.32,914.34 82.47,867.48 45.37,867.48 45.37,901.02
  pour cut-out: 41.35,483.65 23.91,466.21 23.91,465 0,465 0,485
  pour cut-out: 152.24,356.46 155.31,356.46 157.24,354.54 174,371.3 168.7,371.3 150,390
  pour cut-out: 151.39,469.23 152.77,470.61 158.4,470.61 175.32,453.7 151.62,430 150,430
  pour cut-out: 134.68,486.3 136,486.3 142.91,479.39 144.01,480.48 148.38,480.48 148.38,493.38 150,495
  pour cut-out: 0,240 0.25,240.25 26.07,240.25 26.07,462.06 28.7,464.68 28.38,465 0,465
  pour cut-out: 33.7,240.32 33.7,239.65 88.23,185.12 50.38,185.12 4.71,139.45 3.02,141.13 0,141.13 0,240
  pour cut-out: 474.49,259.98 500.46,259.98 551.01,310.53 551.01,338.37
  pour cut-out: 814.4,205.81 819.4,200.81 819.4,197.13 833.85,197.13 851.14,179.84 851.14,205.81
  pour cut-out: 1153.12,223.77 1169.53,207.35 1177.77,207.35 1180.19,204.93 1180.19,179.82 1165.5,165.13
  pour cut-out: 143.7,620.32 169.39,594.63 170.13,594.63 170.13,590.7 147.76,568.33
  pour cut-out: 406.19,359.29 406.19,318.19 403.26,318.19 401.19,316.11 382.24,335.07 382.24,348.75 359.68,371.3
  pour cut-out: 786.7,410.99 799,398.7 825.79,398.7 828.63,395.85 828.63,391.28 770.37,333.02
  pour cut-out: 1080,1050.29 1119.05,1015.93 1127.77,1015.93 1127.77,1047.77 1135,1050.29
  pour cut-out: 1001.82,739.02 1012.98,739.02 1012.98,735.39 1016.79,731.59
  pour cut-out: 1039.22,817.76 1090.78,817.76 1090,816.98 1090,805 1040,805
  pour cut-out: 1240.78,890.98 1282.84,890.98 1306.96,866.85 1277.76,837.65 1277.76,812.24 1246.31,812.24 1240.78,817.76
  pour cut-out: 1387.88,1419.71 1403.67,1419.71 1409.71,1413.67 1409.71,1405.29 1409.01,1405.99 1387.88,1405.99
  pour cut-out: 1234.45,1427.39 1237.15,1427.39 1239.06,1429.31 1247.5,1420.87 1271.64,1420.87 1280.77,1411.74 1280,1380 1241.06,1418.94 1234.45,1418.94
  pour cut-out: 1234.45,1538.35 1234.45,1518.94 1272.8,1518.94 1272.8,1532.8 1280,1540 1280.99,1539.01 1387.88,1539.01 1387.88,1525.29 1389.04,1524.13 1440.85,1524.13 1485.77,1479.21 1485.77,1391.12 1508.9,1391.12 1509.71,1391.93 1509.71,1523.67 1468.67,1564.71 1281.33,1564.71
  pour cut-out: 419.1,1634.34 419.1,1568.94 412.69,1568.94 395,1586.63 395,1635
  pour cut-out: 244.25,1118.96 313.64,1188.35 419.1,1188.35 419.1,1168.94 323.95,1168.94 245.02,1090 245,1090
  pour cut-out: 285.1,1220.12 286.75,1220.12 306.33,1239.71 419.1,1239.71 419.1,1218.94 417.93,1217.77 307.77,1217.77 285,1195
  pour cut-out: 419.1,1284.71 419.1,1270.29 295.31,1270.29 294.19,1269.17 294.19,1289.19
  pour cut-out: 574.71,1190 574.71,1185.31 740.31,1019.71 1073.67,1019.71 1099.71,993.67 1099.71,886.33 1092.12,886.33 1082.48,895.98 1082.48,998.12 667.07,998.12 662.59,1002.6 662.59,1024.04 645.05,1024.04 594.58,1074.5 579.56,1074.5
  pour cut-out: 311.46,597.76 326.25,597.76 404.01,520 335,520 335,565.99 309.54,591.45 309.54,592.76
  pour cut-out: 217.2,185.5 218.51,185.5 270.32,133.7 233.87,97.25 232.75,97.25 232.75,146.76 208.14,171.37
  pour cut-out: 1432.25,185.74 1431.51,185 1425,185 1425,134.29 1420.89,130.18 1421.08,130 1430,130
  pour cut-out: 667.25,262.25 667.25,255.07 667.52,254.8 723.02,254.8 723.02,261.98 722.75,262.25
Power (plane layer: these items are gaps in the copper):
  lines w12: 40,240 55,225 125,225 150,250 150,410 185,445 310,445 340,475 340,560 310,590 165,590 145,570 145,490 90,435 40,385 40,355 40,240 ; 185,195 225,155 470,155 875,155 905,185 905,365 855,415 480,415 440,375 210,375 185,350 185,195 ; 1155,485 1155,650 1295,790 1295,1025 1330,1060 1475,1060 1510,1025 1510,730 1390,610 1390,475 1380,465 1175,465 1155,485

## Silkscreen, mask and mechanical layers (free items; w line width, h text height)
Mechanical 1:
  circle w10: c78.74,1889.76 r39.37
  circle w10: c1574.8,1889.76 r39.37
  circle w10: c1574.8,78.74 r39.37
  circle w10: c78.74,78.74 r39.37
  lines w10: 0,78.74 ccw(c78.74,78.74) 78.74,0 1574.8,0 ccw(c1574.8,78.74) 1653.54,78.74 1653.54,1889.76 ccw(c1574.8,1889.76) 1574.8,1968.5 78.74,1968.5 ccw(c78.74,1889.76) 0,1889.76 0,78.74